# Allegro board RK3588S_Template_LP4XD556P164SD10H2_33X33_2133MHz_H1R0_V10_20220315YWQ.brd (continued)
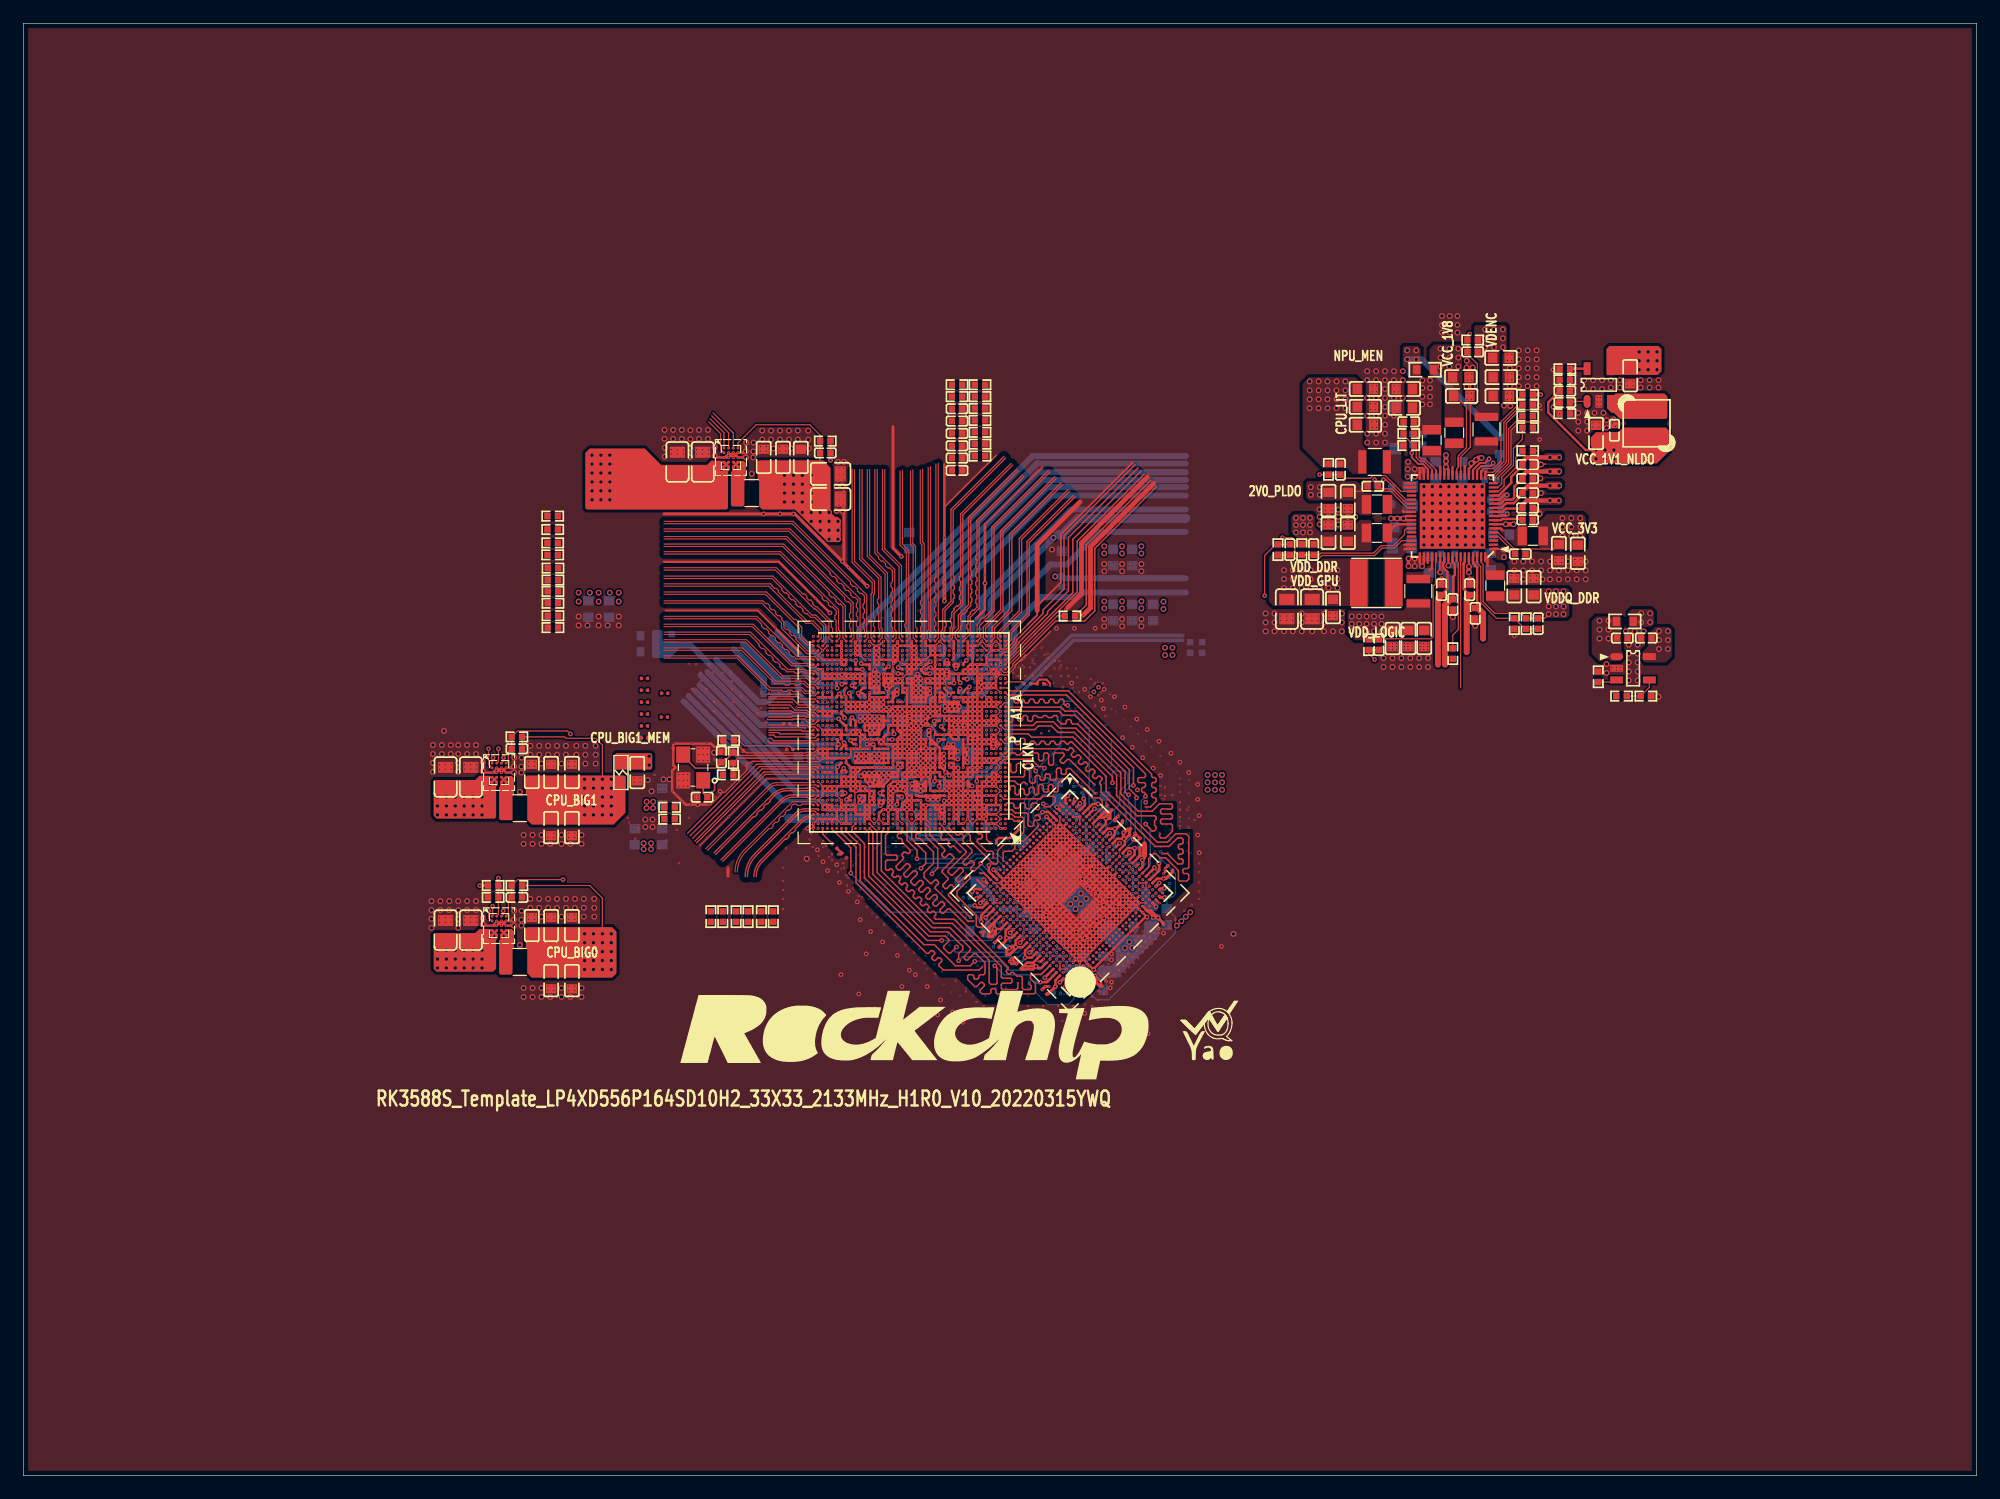
[diagram p0: board, top side]
## Routing (per net, layer and track width the routed paths; a pad name or vN(x,y) marks a point on that pad's centre or on a via; arc(x,y) is an arc through that point) (continued)
  TOP w0.203: 90.68,45.69 90.68,45.85 ; 90.68,45.69 85.48,50.88 85.44,50.88 ; 90.68,45.69 v1(90.82,45.54) ; 90.68,45.85 v4(90.68,45.92) 91.01,45.92 ; 90.68,45.85 90.56,45.85 v1(90.37,45.65) ; v7(82.76,59.69) v1(82.76,59.31) 82.76,58.95 ; v7(82.76,59.69) v7(83.06,59.69) ; v7(82.76,59.69) v2(82.76,60.06) 83.09,60.06 83.09,59.72 83.07,59.7 ; v7(82.76,59.69) 82.3,59.69 v7(82.29,59.7) v1(82.29,59.3) ; v1(82.29,59.3) U1000.L3 v1(83.49,59.3) ; v1(82.29,59.3) 82.29,58.94 82.25,58.9 ; v1(82.29,59.3) v1(81.89,59.3) ; v7(83.09,64.5) v7(83.09,64.1) v7(82.69,64.1) ; v7(83.09,64.5) 83.09,64.91 v1(83.08,64.92) 82.73,64.92 v7(82.69,64.89) 82.68,64.87 v7(82.68,64.52) ; v7(83.09,64.5) 83.08,64.52 v7(82.68,64.52) ; v7(83.09,64.5) v7(83.49,64.5) ; v1(91.11,44.69) v1(90.82,44.98) ; v1(91.11,44.69) v1(91.39,44.98) ; v1(91.11,44.69) v1(90.82,44.41) ; v1(90.82,44.98) v7(90.54,44.69) ; v1(90.82,44.98) v1(91.11,45.26) ; v1(90.82,44.98) v1(90.54,45.26) ; 77.49,61.33 77.52,61.3 v1(77.89,61.3) ; 77.49,61.33 U1000.T17 v4(77.49,60.9) ; 77.49,61.33 v1(77.47,61.35) 77.49,61.38 v7(77.49,61.7) ; 77.49,61.33 77.47,61.3 v1(77.09,61.3) ; v7(68.69,56.9) v7(68.29,56.9) v7(68.29,57.3) v7(68.69,57.3) ; v7(68.69,56.9) v7(68.69,57.3) ; v7(68.69,56.9) v1(69.09,56.9) ; 93.47,48.76 93.83,48.76 ; 93.47,48.76 93.93,49.22 v4(93.93,49.22) ; 93.47,48.76 93.34,48.63 ; 93.83,48.76 v1(93.93,48.65) ; 93.83,48.76 88.59,54 88.59,54.03 ; v4(78.51,56.82) 78.29,56.6 ; v4(78.51,56.82) 78.43,56.9 v1(77.89,56.9) v1(77.89,57.3) ; v4(78.51,56.82) 78.69,56.64 ; 78.29,56.6 v1(78.29,56.5) ; 78.29,56.6 v1(78.29,57.3) ; 71.45,58.5 71.19,58.5 v4(71.15,58.53) ; 71.45,58.5 71.49,58.54 v1(71.49,58.9) ; 71.45,58.5 71.91,58.5 71.91,58.88 v1(71.89,58.9) v1(71.49,58.9) ; v7(74.69,70.15) v1(74.69,69.7) 74.68,69.7 ; v7(74.69,70.15) v7(74.69,70.54) ; v7(74.69,70.15) 74.64,70.1 v7(74.29,70.1) ; v1(74.29,62.43) 74.29,62.43 v7(74.29,62.1) ; v7(77.09,56.9) v4(77.09,57.28) ; v7(77.09,56.9) v7(77.09,56.5) ; v7(77.09,56.9) v7(76.69,56.9) ; v7(82.69,66.1) v7(83.49,66.1) ; v7(82.69,66.1) v7(82.29,66.1) ; v7(82.69,66.1) 82.69,66.49 v1(82.69,66.5) v1(82.29,66.5) ; v7(82.69,66.1) v7(82.69,65.7) ; 81.49,67.99 81.49,67.36 ; 81.49,67.99 81.71,67.77 v4(81.79,67.77) 81.86,67.7 v1(82.29,67.7) ; 81.49,67.99 v1(81.49,68.1) ; 81.49,67.36 v1(81.49,66.9) ; 81.49,67.36 v1(81.55,67.3) v1(82.29,67.3) ; v7(75.49,58.9) v1(75.49,59.3) ; v7(75.49,58.9) v1(75.49,58.5) ; v7(75.49,58.9) v7(75.09,58.9) ; v1(75.49,59.3) v7(75.49,59.7) ; v1(75.49,59.3) v1(75.09,59.3) ; 84.88,50.38 84.88,50.35 ; 84.88,50.38 84.88,50.35 ; 84.88,50.38 84.88,50.44 v4(84.92,50.48) 84.75,50.48 v1(84.6,50.63) ; 84.88,50.35 v7(84.6,50.07) ; 84.88,50.35 84.88,50.35 85.17,50.63 ; 84.88,50.35 v4(89.97,45.26) ; v7(88.84,54.88) v7(89.13,54.59) ; v7(88.84,54.88) v1(88.56,54.59) ; v7(88.84,54.88) U3700.F5 ; v7(88.84,54.88) 88.37,55.35 ; v7(89.13,54.59) v4(88.84,54.31) ; v7(89.13,54.59) v7(89.41,54.31) ; v7(89.13,54.59) v7(89.41,54.88) ; v4(82.89,51.78) v7(83.19,51.48) v7(83.47,51.2) v7(83.75,50.92) ; v7(71.09,70.9) v7(71.49,70.9) v7(71.49,70.5) ; v7(71.09,70.9) v7(71.09,71.3) ; v7(71.09,70.9) v7(71.09,70.5) ; v1(70.69,59.3) v1(70.69,58.9) ; v1(70.69,59.3) v1(70.29,59.3) ; v1(70.69,59.3) v1(71.09,59.3) ; v1(70.69,59.3) v1(70.69,59.7) ; v1(70.69,58.9) v1(70.29,58.9) ; v1(70.69,58.9) v1(70.69,58.5) 71.12,58.5 v4(71.15,58.53) ; v1(70.69,58.9) v1(71.09,58.9) ; v1(76.29,60.9) v7(75.89,60.9) ; v1(76.29,60.9) v1(76.29,61.3) ; v1(76.29,60.9) 76.62,60.9 v4(76.66,60.86) ; v1(76.29,60.9) 76.29,60.46 v4(76.3,60.45) ; v7(75.89,60.9) 75.89,60.46 v4(75.9,60.45) ; v7(75.89,60.9) 75.51,60.9 75.49,60.88 ; v7(75.89,60.9) v1(75.89,61.3) ; U1000.K36 v1(69.92,58.9) ; v1(69.92,58.9) v1(69.47,58.9) 69.49,58.87 v1(69.49,58.47) ; v1(69.92,58.9) 69.89,58.93 v1(69.89,59.3) ; v1(69.92,58.9) v1(70.29,58.9) ; v1(70.69,65.3) v1(70.29,65.3) v1(70.29,65.7) ; v1(70.69,65.3) v1(70.69,65.7) ; v1(70.69,65.3) v1(71.09,65.3) ; v1(80.29,59.7) 80.29,60.05 v1(80.34,60.1) ; v1(80.29,59.7) v1(79.89,59.7) v1(79.49,59.7) ; v1(80.29,59.7) v1(80.69,59.7) ; v1(80.29,59.7) v1(80.29,59.3) ; 73.48,62.5 v7(73.14,62.5) 73.09,62.54 v7(73.09,62.9) ; 73.48,62.5 v1(73.89,62.5) v1(74.69,62.5) ; 73.48,62.5 v7(73.49,62.51) v1(73.49,62.9) ; v1(71.49,62.9) v7(71.49,62.48) v1(71.49,62.1) ; v1(71.49,62.9) v1(71.89,62.9) ; v1(71.49,62.9) v1(71.49,63.7) v1(71.09,63.7) ; v7(69.09,58.5) 69.46,58.5 v1(69.49,58.47) ; v7(69.09,58.5) v7(69.09,58.9) ; v7(69.09,58.5) v7(68.29,58.5) ; v1(92.52,47.24) v1(92.8,47.52) ; v1(92.52,47.24) v1(92.8,46.96) ; v1(92.52,47.24) v1(92.24,46.96) ; v1(92.52,47.24) 91.03,48.73 ; v1(92.8,47.52) v1(93.08,47.8) ; v1(92.8,47.52) 91.32,49 ; v1(92.8,47.52) v1(93.08,47.24) ; v1(72.29,56.9) v1(71.89,56.9) ; v1(72.29,56.9) v7(72.29,56.5) ; v1(72.29,56.9) 72.29,57.3 ; v1(71.89,56.9) v1(71.89,57.3) v7(72.26,57.3) 72.29,57.3 ; v1(71.89,56.9) v7(71.89,56.5) ; v4(74.27,65.3) 74.27,64.92 v1(74.29,64.9) ; v4(74.27,65.3) 74.65,65.3 v4(74.68,65.28) ; v4(74.27,65.3) 74.27,65.3 v7(73.89,65.3) ; v4(74.27,65.3) 74.29,65.33 v1(74.29,65.7) ; v7(80.69,68.9) v7(81.15,68.9) v7(81.48,68.9) 81.49,68.88 ; v7(80.69,68.9) v7(80.37,68.9) 80.29,68.82 v1(80.29,68.5) ; v7(80.69,68.9) 80.69,69.1 80.9,69.3 v1(81.09,69.3) ; v7(80.69,68.9) v1(80.69,68.5) ; v1(77.89,61.3) 77.89,61.31 v7(77.89,61.7) ; v1(77.89,61.3) 77.89,61.3 v7(77.89,60.9) ; v7(75.89,70.5) v7(75.89,70.9) ; v7(75.89,70.5) v7(75.89,70.1) ; v7(75.89,70.5) v7(76.29,70.5) ; v7(75.89,70.9) v7(75.49,70.9) v7(75.09,70.9) v4(74.66,70.9) ; v7(75.89,70.9) v7(76.29,70.9) v7(76.29,70.5) ; v7(75.89,70.9) v1(75.89,71.3) ; v7(73.89,65.3) 73.96,65.37 v4(73.96,65.63) ; v7(73.89,65.3) v7(73.49,65.3) ; v7(73.89,65.3) v1(73.89,64.9) v1(74.29,64.9) ; v1(71.89,62.9) v1(72.29,62.9) v1(73.49,62.9) ; v1(71.89,62.9) v1(71.89,63.3) 71.07,63.3 ; v1(81.09,70.1) v1(80.69,70.1) v7(80.69,70.5) ; v1(81.09,70.1) v1(81.09,69.7) v1(81.09,69.3) ; v1(81.09,70.1) v7(81.09,70.5) ; v1(76.29,64.9) 75.72,64.9 v4(75.72,64.9) 75.71,64.9 U1000.AE22 ; v1(76.29,64.9) v7(76.29,65.3) ; v1(76.29,64.9) v7(76.29,64.5) ; v1(76.29,64.9) U1000.AE19 ; v7(80.69,66.15) 80.64,66.1 v7(80.29,66.1) v1(80.29,66.5) ; v7(80.69,66.15) v1(80.69,66.5) ; v7(80.69,66.15) 80.74,66.1 v7(81.09,66.1) ; v7(80.69,66.15) U1000.AH9 v1(80.69,65.3) ; v4(82.23,56.13) 82.3,56.2 v7(82.3,56.5) v7(82.3,56.9) ; v4(82.23,56.13) 82.23,55.77 U1000.B5 82.29,55.7 v7(82.68,55.7) v1(83.09,55.7) ; v4(82.23,56.13) 82.2,56.1 v1(81.89,56.1) ; v4(89.97,45.26) v1(90.37,45.65) ; v4(89.97,45.26) v1(90.26,44.98) ; v4(89.97,45.26) v1(89.69,44.98) ; v1(90.37,45.65) v4(93.93,49.22) ; 73.49,68.1 v1(74.29,68.1) ; 73.49,68.1 U1000.AM27 ; 73.49,68.1 v1(73.49,68.5) 73.86,68.5 ; v1(74.29,68.1) 74.57,68.1 ; v1(74.29,68.1) v1(74.29,67.7) ; v1(74.29,68.1) v1(74.29,68.5) ; v1(82.29,70.1) 82.29,69.77 ; 82.29,69.77 v7(82.36,69.7) v1(82.69,69.7) ; 82.29,69.77 U1000.AT5 v1(81.89,69.3) v7(81.49,69.3) ; v1(77.09,61.3) 77.09,60.91 v4(77.06,60.88) ; v1(77.09,61.3) v7(77.09,61.7) ; v1(77.09,61.3) 76.69,61.3 v4(76.66,61.26) ; 55.52,62.15 55.52,62.43 v1(55.63,62.53) v1(57.1,62.53) v1(58.37,62.53) 58.75,62.53 59,62.28 v1(59.45,62.28) ; 55.52,62.15 v1(55.52,61.65) 55.52,60.68 55.7,60.5 55.43,60.23 v1(55.43,59.87) v1(55.43,58.49) v1(55.83,58.09) v1(56.34,57.58) 56.59,57.33 v1(56.97,57.33) v4(57.61,57.33) v1(58.5,57.33) ; 55.52,62.15 55.45,62.15 ; v1(80.29,57.3) v1(80.29,57.7) ; v1(80.29,57.3) v1(80.69,57.3) ; v1(80.29,57.3) v1(80.29,56.9) ; v1(80.29,57.3) 79.91,57.3 v7(79.88,57.28) ; v1(80.29,57.7) v1(79.88,57.7) ; v1(80.29,57.7) v1(80.29,58.5) ; v1(80.29,57.7) v1(80.69,57.7) ; v1(81.49,58.5) v7(81.49,57.3) ; v1(81.49,58.5) v1(81.09,58.5) ; v1(81.49,58.5) v1(81.89,58.5) ; v1(81.49,58.5) 81.49,58.89 81.49,58.9 ; v7(81.49,57.3) v7(81.49,56.5) ; v7(81.49,57.3) v1(81.09,57.3) ; v7(81.49,57.3) 82.37,57.3 ; v1(76.69,63.7) v7(76.69,63.3) ; v1(76.69,63.7) 76.66,63.73 v4(76.66,64.03) ; v1(76.69,63.7) v1(76.29,63.7) ; v7(76.69,63.3) v4(76.29,63.3) ; v7(76.69,63.3) v7(76.69,62.9) ; v7(77.49,61.7) v7(77.09,61.7) ; v7(77.49,61.7) v7(77.89,61.7) ; v7(77.49,61.7) v7(77.49,62.1) ; v7(77.09,61.7) U1000.U20 ; v7(77.09,61.7) 77.11,61.72 v4(77.11,62.13) ; v7(76.29,65.3) v1(76.29,65.7) ; v7(76.29,65.3) v1(75.89,65.3) ; v7(76.29,65.3) v7(76.69,65.3) ; v1(77.09,60.1) v7(77.09,59.7) ; v1(77.09,60.1) v7(77.09,60.5) ; v1(77.09,60.1) 76.73,60.1 v1(76.71,60.12) ; v1(77.09,60.1) v1(77.49,60.1) ; v7(77.09,59.7) v7(77.49,59.7) ; v7(77.09,59.7) v7(76.69,59.7) ; v7(77.09,69.7) v7(76.69,69.7) ; v7(76.69,69.7) v7(75.89,69.7) ; v7(76.69,69.7) v7(76.69,69.3) v1(76.29,69.3) ; 81.49,63.15 v1(81.49,63.3) ; 81.49,63.15 v4(81.33,62.99) 81.09,63.23 ; 81.49,63.15 v1(81.49,62.5) ; v1(81.49,63.3) v1(81.89,63.3) ; v1(81.49,63.3) v1(81.09,63.3) ; v1(81.49,63.3) v1(81.49,63.7) ; v1(76.29,65.7) v1(75.89,65.7) ; v1(76.29,65.7) v1(76.69,65.7) ; v7(85.73,52.9) v7(86.01,53.18) ; v7(85.73,52.9) v7(86.01,52.61) ; v7(85.73,52.9) v7(85.45,52.61) ; v7(86.01,53.18) v7(86.3,52.9) ; v7(86.01,53.18) v7(86.3,53.46) ; v7(74.29,70.5) 74.66,70.5 v7(74.69,70.54) ; v7(74.29,70.5) v7(74.29,70.1) ; v7(74.29,70.5) v7(74.29,70.9) v4(74.66,70.9) ; v7(87.15,47.52) 87.38,47.75 v4(87.38,47.88) 86.94,47.88 ; v7(87.15,47.52) v7(86.86,47.8) ; v7(87.15,47.52) v7(87.43,47.24) ; v7(87.15,47.52) v7(86.86,47.24) ; v7(87.15,47.52) 89.09,49.47 ; v7(75.49,63.3) v1(75.09,63.3) ; v7(75.49,63.3) v4(75.89,63.3) ; v7(75.49,63.3) v7(75.49,62.9) ; v7(75.49,63.3) v7(75.49,63.7) ; v1(75.09,63.3) v1(74.69,63.7) ; v1(75.09,63.3) 75.01,63.3 74.69,62.98 v1(74.69,62.9) ; v1(75.09,63.3) v1(75.09,63.7) ; v1(75.09,63.3) v7(75.09,62.9) ; v7(72.69,65.7) v7(73.09,65.7) ; v7(72.69,65.7) 72.3,65.7 v4(72.26,65.66) ; v7(72.69,65.7) U1000.AH29 ; v7(72.69,65.7) v7(72.69,65.3) ; v7(73.09,65.7) v1(73.09,66.1) ; v7(73.09,65.7) 73.47,65.7 v4(73.51,65.66) ; v7(73.09,65.7) v7(73.09,65.3) ; v7(74.69,62.1) v7(74.29,62.1) ; v7(74.69,62.1) v7(75.09,62.1) ; v7(74.69,62.1) v1(74.69,62.5) ; v7(74.69,62.1) v7(74.69,61.7) ; v7(74.29,62.1) v1(74.29,61.7) ; v1(81.49,65.3) v1(81.89,65.3) ; v1(81.49,65.3) v1(81.49,64.9) ; v1(81.49,65.3) v1(81.49,65.7) ; v1(81.49,65.3) v1(81.09,65.3) ; v1(81.49,61.3) 81.5,61.29 v7(83.5,61.29) ; v1(81.49,61.3) 81.13,61.3 81.09,61.26 ; v1(81.49,61.3) v1(81.49,61.7) ; v1(81.49,61.3) v1(81.49,60.5) ; 82.37,57.3 82.3,57.22 v7(82.3,56.9) ; 82.37,57.3 v7(82.69,57.3) v7(83.09,57.3) ; 93.34,48.63 v4(93.32,48.63) 93.32,48.61 93.22,48.5 93.22,48.24 ; 93.34,48.63 93.39,48.63 ; v7(83.09,68.5) v7(82.69,68.5) 82.63,68.5 ; v7(83.09,68.5) U1000.AP2 ; v7(83.09,68.5) v1(83.09,68.1) 83.09,67.74 ; v7(83.09,68.5) v7(83.09,68.9) v1(82.69,68.9) 82.69,68.57 82.63,68.5 ; v7(85.45,49.22) v7(85.17,49.5) ; v7(85.45,49.22) v7(85.73,48.94) ; v7(85.45,49.22) v7(89.97,53.74) ; v7(85.45,49.22) v7(85.17,48.94) ; v7(85.17,49.5) v7(89.69,54.03) ; v7(85.17,49.5) v7(84.88,49.22) ; v7(85.17,49.5) v7(84.88,49.78) ; v7(88.84,45.26) v7(89.13,44.98) ; v7(88.84,45.26) v7(88.56,45.54) ; v7(88.84,45.26) v7(89.13,45.54) ; v7(89.13,44.98) v7(89.41,44.69) ; v7(89.13,44.98) v7(89.41,45.26) ; v1(81.89,68.5) v1(82.29,68.5) 82.63,68.5 ; v1(81.89,68.5) v1(81.89,68.1) ; v1(81.89,68.5) v1(81.49,68.5) ; v7(86.3,44.98) 86.01,44.69 v4(85.96,44.69) ; v1(80.69,65.3) v1(80.29,65.3) v1(80.29,64.9) ; v1(80.69,65.3) v1(80.69,64.9) ; v1(80.69,65.3) v1(81.09,65.3) ; 90.18,47.88 90.24,47.82 v1(90.24,47.82) 90.24,47.82 91.31,46.75 v4(91.31,46.72) 91.34,46.72 v1(91.67,46.39) ; v1(75.09,63.7) v7(75.09,64.1) ; v1(75.09,63.7) v1(74.69,63.7) ; v1(75.09,63.7) v7(75.49,63.7) ; v7(75.09,64.1) v7(75.49,64.1) ; v7(75.09,64.1) v7(75.09,64.5) ; v7(75.09,64.1) v7(74.69,64.1) ; v1(82.29,65.7) v7(82.29,66.1) ; v1(82.29,65.7) v7(82.69,65.7) ; v1(82.29,65.7) v1(81.89,65.7) ; v7(82.29,66.1) v1(81.86,66.1) ; v7(82.29,66.1) U1000.AJ5 ; v1(89.69,44.98) v7(89.41,45.26) ; v1(89.69,44.98) v7(89.41,44.69) ; v1(89.69,44.98) v7(89.97,44.69) ; v7(89.41,45.26) v7(89.13,45.54) ; v7(89.41,45.26) v7(93.93,49.78) ; v7(75.49,62.5) 75.49,62.08 v4(75.49,62.08) ; v7(75.49,62.5) v7(75.09,62.5) ; v7(75.49,62.5) v4(75.89,62.5) ; v7(75.49,62.5) v7(75.49,62.9) ; v1(75.89,57.7) v7(75.89,58.1) v1(75.49,58.1) ; v1(75.89,57.7) v1(76.29,57.7) 76.67,57.7 v1(76.69,57.67) v1(76.69,57.3) ; v1(75.89,57.7) v1(75.89,57.3) ; v1(75.89,57.7) v1(75.49,57.7) ; v7(93.93,49.78) v7(94.22,50.07) ; v7(93.93,49.78) v1(94.22,49.5) ; v7(93.93,49.78) v7(93.65,50.07) ; v7(94.22,50.07) v7(93.93,50.35) ; v7(94.22,50.07) v7(94.5,49.78) ; v1(91.11,52.61) v4(90.81,52.32) v4(86.87,48.38) v1(86.58,48.09) ; v1(91.11,52.61) v7(90.82,52.9) ; v1(91.11,52.61) v7(91.39,52.33) ; v1(91.11,52.61) v1(91.39,52.9) ; v7(74.69,59.3) v1(75.09,59.3) ; v7(74.69,59.3) 74.29,59.3 v7(73.89,58.9) ; v7(74.69,59.3) 74.69,58.96 ; v1(75.09,59.3) v7(75.09,58.9) ; v1(75.09,59.3) v7(75.09,59.7) ; v1(74.29,67.7) 74.29,67.53 73.89,67.13 ; v1(74.29,67.7) 74.08,67.91 v4(73.9,67.91) 73.7,67.91 U1000.AM27 ; v1(74.29,67.7) U1000.AM27 ; v1(74.29,67.7) v1(75.09,67.7) ; v7(77.89,65.3) 78.13,65.3 v4(78.21,65.22) ; v7(77.89,65.3) v7(77.49,65.3) ; v7(77.89,65.3) v1(77.89,65.7) ; v7(77.89,65.3) v1(77.89,64.9) ; v7(92.52,51.2) 91.14,49.82 ; v7(92.52,51.2) v7(92.8,50.92) ; v7(92.52,51.2) v1(92.24,51.48) ; v7(92.52,51.2) v1(92.8,51.48) ; v7(75.49,66.9) 75.09,66.9 v1(75.09,67.3) ; v7(75.49,66.9) v7(75.49,67.3) v1(75.09,67.3) ; v7(75.49,66.9) v1(75.49,65.7) ; v1(74.29,65.7) v1(74.69,65.7) ; v1(74.29,65.7) 74.23,65.63 v4(73.96,65.63) ; v1(74.69,65.7) v1(75.09,65.7) ; v1(74.69,65.7) 74.69,65.29 v4(74.68,65.28) ; v7(84.6,50.07) v7(84.32,50.35) ; v7(84.6,50.07) v7(84.88,49.78) ; v7(84.6,50.07) v7(84.32,49.78) ; v7(84.32,50.35) v7(84.03,50.63) ; v7(84.32,50.35) v1(84.6,50.63) ; v7(84.32,50.35) v7(84.03,50.07) ; v1(70.29,59.3) v1(70.29,58.9) ; v1(70.29,59.3) v1(70.29,59.7) ; v1(70.29,59.3) v1(69.89,59.3) ; v7(78.29,67.7) v1(78.69,67.7) v1(78.69,68.1) ; v7(78.29,67.7) v1(77.89,67.7) ; v7(78.29,67.7) v1(78.29,68.1) v1(78.29,68.5) ; v7(78.29,67.7) v7(78.29,67.3) v7(77.89,67.3) ; v1(78.29,68.5) v1(78.29,68.9) ; v1(78.29,68.5) v1(77.89,68.5) ; v1(78.29,68.5) v1(79.49,68.5) v1(79.89,68.5) ; v1(78.29,68.9) 78.67,68.9 ; v1(78.29,68.9) v1(77.89,68.9) ; v4(76.3,62.08) 76.67,62.08 U1000.V19 ; v4(76.3,62.08) 76.3,61.71 U1000.U20 ; v4(76.3,62.08) 76.29,62.09 v4(76.29,62.5) ; v4(76.3,62.08) v4(75.9,62.08) ; v1(81.09,57.7) v1(80.69,57.7) ; v1(81.09,57.7) v1(81.09,57.3) ; v1(81.09,57.7) v1(81.09,58.5) ; v1(81.09,57.7) v1(81.89,57.7) ; v1(80.69,57.7) v1(80.69,57.3) ; v1(80.69,57.7) v1(80.69,58.5) ; v1(76.29,69.3) v1(76.29,68.9) v1(75.89,68.9) ; v1(76.29,69.3) v1(75.89,69.3) ; v1(76.29,69.3) v7(76.29,70.1) ; v7(87.15,44.13) 86.93,43.92 v1(86.82,43.92) ; v4(80.42,64.11) 80.29,63.99 v1(80.29,63.7) ; v4(80.42,64.11) 80.46,64.15 v4(81.06,64.15) ; v4(80.42,64.11) 80.37,64.16 ; v1(78.69,64.9) v7(78.69,64.5) v1(79.09,64.5) ; v1(78.69,64.9) v1(79.09,64.9) ; v1(78.69,64.9) v1(77.89,64.9) ; v1(71.89,65.7) 71.89,65.78 ; v1(71.89,65.7) v7(71.89,65.3) ; v1(71.89,65.7) v1(71.49,65.7) ; v1(71.89,65.7) 72.22,65.7 v4(72.26,65.66) ; 71.89,65.78 71.89,66.03 71.96,66.1 ; 71.89,65.78 v4(71.68,65.99) 71.49,65.8 ; v1(81.89,63.3) v1(81.89,63.7) ; v1(81.89,63.3) v1(81.89,62.9) ; v4(77.11,62.13) 77.09,62.1 U1000.V19 ; v4(77.11,62.13) 77.09,62.15 v1(77.09,62.5) ; v4(77.11,62.13) 77.14,62.1 v7(77.49,62.1) ; v4(77.49,60.9) v7(77.49,60.5) ; v4(77.49,60.9) v7(77.89,60.9) ; v4(77.49,60.9) 77.48,60.88 v4(77.06,60.88) ; v1(75.89,63.7) 75.89,64.01 ; v1(75.89,63.7) v7(75.49,63.7) ; v1(75.89,63.7) v1(76.29,63.7) ; v1(75.89,63.7) v4(75.89,63.3) ; 75.89,64.01 v4(75.85,64.05) ; 75.89,64.01 v1(75.89,65.3) ; v4(88.84,54.31) 88.84,54.29 88.59,54.03 ; v4(88.84,54.31) v4(93.93,49.22) ; v4(88.84,54.31) v1(88.56,54.59) ; v4(88.84,54.31) v1(88.56,54.59) ; v1(74.69,61.3) v7(75.09,61.3) ; v1(74.69,61.3) v1(74.29,61.3) ; v1(74.69,61.3) v7(74.69,61.7) ; v7(75.09,61.3) v1(75.49,61.3) ; v7(75.09,61.3) v7(75.09,61.7) ; v1(93.08,47.8) v1(93.37,48.09) ; v1(93.08,47.8) v7(87.43,53.46) ; v1(93.08,47.8) v1(93.37,47.52) ; U1000.AM27 73.49,67.53 73.77,67.25 v4(73.77,67.23) 73.79,67.23 73.89,67.13 ; 81.09,63.2 v4(80.91,63.01) ; 81.09,63.2 v7(81.09,62.5) ; 81.09,63.2 81.09,63.23 ; v4(80.91,63.01) 81.02,62.9 v1(81.89,62.9) ; v4(80.91,63.01) 80.69,63.22 ; v7(83.75,50.92) v7(84.03,50.63) ; v7(83.75,50.92) v7(83.47,50.63) v7(83.75,50.35) ; v7(83.75,50.92) v7(84.03,51.2) ; v7(71.09,60.5) v1(71.09,60.1) ; v7(71.09,60.5) U1000.P34 ; v7(71.09,60.5) v1(71.49,60.5) ; v1(71.09,60.1) 71.29,60.1 71.49,60.3 v1(71.49,60.5) ; v1(71.09,60.1) v1(70.69,60.1) ; v1(71.09,60.1) v1(71.09,59.7) ; 74.69,58.96 v4(74.73,58.93) 74.75,58.9 v7(75.09,58.9) ; 74.69,58.96 U1000.J24 ; v7(69.49,68.5) v1(69.49,68.1) ; v7(69.49,68.5) v7(69.09,68.5) ; v7(69.49,68.5) 70.02,68.5 ; v1(69.49,68.1) v1(70.29,68.1) ; v1(69.49,68.1) v7(69.09,68.1) ; v7(85.73,48.94) v7(85.45,48.65) ; v7(85.73,48.94) v1(86.01,48.65) ; v7(85.73,48.94) v7(90.26,53.46) ; v7(75.09,58.9) 75.09,58.66 v4(75.18,58.57) ; v7(75.09,58.9) v1(74.29,58.9) ; v7(79.89,56.1) v7(79.49,56.1) 79.49,56.1 v1(79.49,60.5) ; v7(79.89,56.1) v1(79.89,56.5) ; v7(79.89,56.1) v7(79.89,55.7) v1(80.29,55.7) ; v7(90.26,53.46) v7(90.54,53.74) ; v7(90.26,53.46) v1(90.54,53.18) ; v7(90.26,53.46) v7(89.97,53.74) ; v7(90.54,53.74) v1(90.82,53.46) ; v7(90.54,53.74) v7(90.26,54.03) ; 88.91,49.15 88.94,49.12 ; 88.91,49.15 v1(89.03,49.15) ; 88.91,49.15 v7(86.01,52.05) ; v1(84.6,51.76) v1(84.88,51.48) ; v1(84.6,51.76) v7(84.88,52.05) ; v1(84.6,51.76) v1(84.32,51.48) ; v1(84.88,51.48) v1(84.6,51.2) ; v1(84.88,51.48) v7(85.17,51.2) ; v1(84.88,51.48) v7(85.17,51.76) ; v7(82.69,60.9) v1(81.09,60.9) ; v7(82.69,60.9) v7(83.09,60.9) v7(83.09,61.3) ; v7(82.69,60.9) v7(82.69,61.3) ; v1(81.09,60.9) 81.09,61.26 ; v1(81.09,60.9) v1(81.09,60.5) ; v7(77.49,65.3) v4(77.49,64.9) ; v7(77.49,65.3) v4(77.09,65.3) ; v7(77.49,65.3) v1(77.49,65.7) ; v4(77.49,64.9) v1(77.89,64.9) ; v4(77.49,64.9) 77.49,64.89 v4(77.06,64.47) ; v4(77.49,64.9) 77.09,64.9 v4(77.06,64.87) ; v7(74.69,61.7) v1(74.29,61.7) ; v7(74.69,61.7) v7(75.09,61.7) ; v1(74.29,61.7) v1(74.29,61.3) ; 82.76,58.95 v2(82.76,58.95) ; 82.76,58.95 v7(82.76,58.9) ; v7(84.6,49.5) v7(84.88,49.22) ; v7(84.6,49.5) v7(84.88,49.78) ; v7(84.6,49.5) v7(84.32,49.78) ; v7(84.88,49.22) v7(85.17,48.94) ; v4(75.74,64.47) 75.71,64.5 U1000.AD22 ; v4(75.74,64.47) 75.78,64.5 v7(76.29,64.5) ; v4(75.74,64.47) 75.85,64.36 v4(75.85,64.05) ; v4(71.15,58.53) 71.09,58.59 v1(71.09,58.9) ; v7(88.28,45.82) v7(88.56,45.54) ; v7(88.28,45.82) v7(87.99,46.11) ; v7(88.28,45.82) v7(88.56,46.11) ; v7(88.56,45.54) v7(88.84,45.82) ; 78.67,68.9 v1(78.69,68.88) v1(78.69,68.1) ; 78.67,68.9 v1(79.06,68.9) 79.09,68.86 v1(79.09,68.1) v1(78.69,68.1) ; v7(75.89,61.7) 76.27,61.7 76.29,61.67 ; v7(75.89,61.7) 75.89,62.07 v4(75.9,62.08) ; v7(75.89,61.7) v1(75.89,61.3) ; v7(75.89,61.7) v7(75.49,61.7) v7(75.09,61.7) ; v7(69.09,68.5) v7(68.69,68.5) ; v7(69.09,68.5) v7(69.09,68.1) ; v7(68.69,68.5) v7(68.29,68.5) ; v7(68.69,68.5) v7(68.69,68.1) ; v7(84.03,50.07) v7(84.32,49.78) ; v7(84.03,50.07) v7(83.75,50.35) ; v7(86.58,53.74) v7(86.86,54.03) ; v7(86.58,53.74) v7(86.86,53.46) ; v7(86.58,53.74) v7(86.3,53.46) ; v7(86.86,54.03) v7(87.15,53.74) ; v7(86.86,54.03) v7(87.15,54.31) ; v4(74.68,65.28) 75.06,65.28 v4(75.08,65.25) ; v4(74.68,65.28) 74.69,65.26 v1(74.69,64.9) ; v1(80.29,63.7) v1(80.29,63.3) ; v1(80.29,63.7) v1(79.89,63.7) ; v1(80.29,63.7) v1(80.69,63.7) ; v7(73.49,65.3) v7(73.09,65.3) ; v7(73.49,65.3) v1(73.49,66.5) ; v7(73.09,65.3) v7(72.69,65.3) ; v7(70.69,63.3) 71.07,63.3 ; v7(70.69,63.3) 70.69,63.3 v7(70.69,63.7) v1(71.09,63.7) ; v7(70.69,63.3) 69.93,63.3 ; 71.07,63.3 71.09,63.32 v1(71.09,63.7) ; v7(77.89,60.5) v1(77.89,60.1) ; v7(77.89,60.5) v7(77.49,60.5) ; v7(77.89,60.5) v7(77.89,60.9) ; v1(77.89,60.1) v1(78.29,60.1) 78.29,59.76 78.35,59.7 v7(78.69,59.7) v1(78.69,59.3) ; v1(77.89,60.1) v1(77.49,60.1) ; v7(75.89,69.7) v7(75.89,70.1) ; v7(75.89,69.7) v1(75.89,69.3) ; v1(91.95,46.11) v1(91.67,45.82) ; v1(91.95,46.11) v1(91.67,46.39) ; v1(91.95,46.11) v1(92.24,45.82) ; v1(91.95,46.11) v1(92.24,46.39) ; v1(91.67,45.82) v1(91.39,45.54) ; v1(91.67,45.82) v1(91.95,45.54) ; v1(91.67,45.82) v1(91.39,46.11) 